# KiCad board pcb.kicad_pcb
title: 0xCB 1337; date: 2023-04-26; rev: 5.0; company: 0xCB; note: Conor Burns
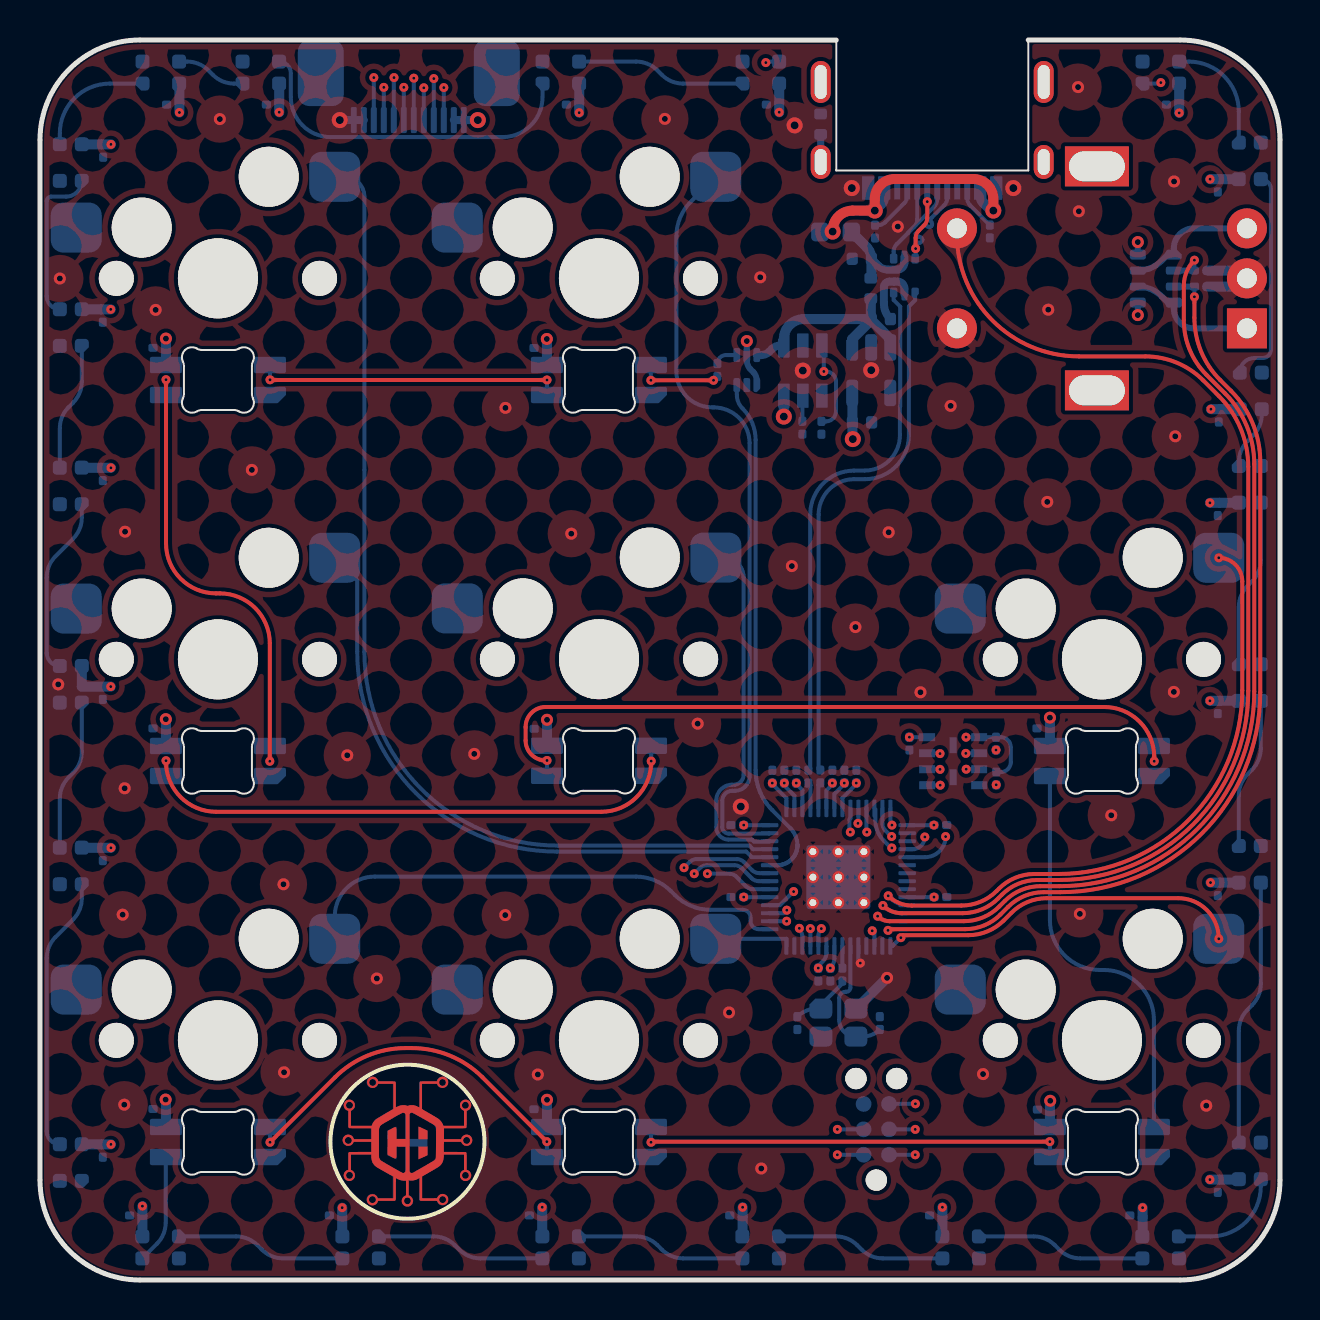
[diagram p0: board, top side]
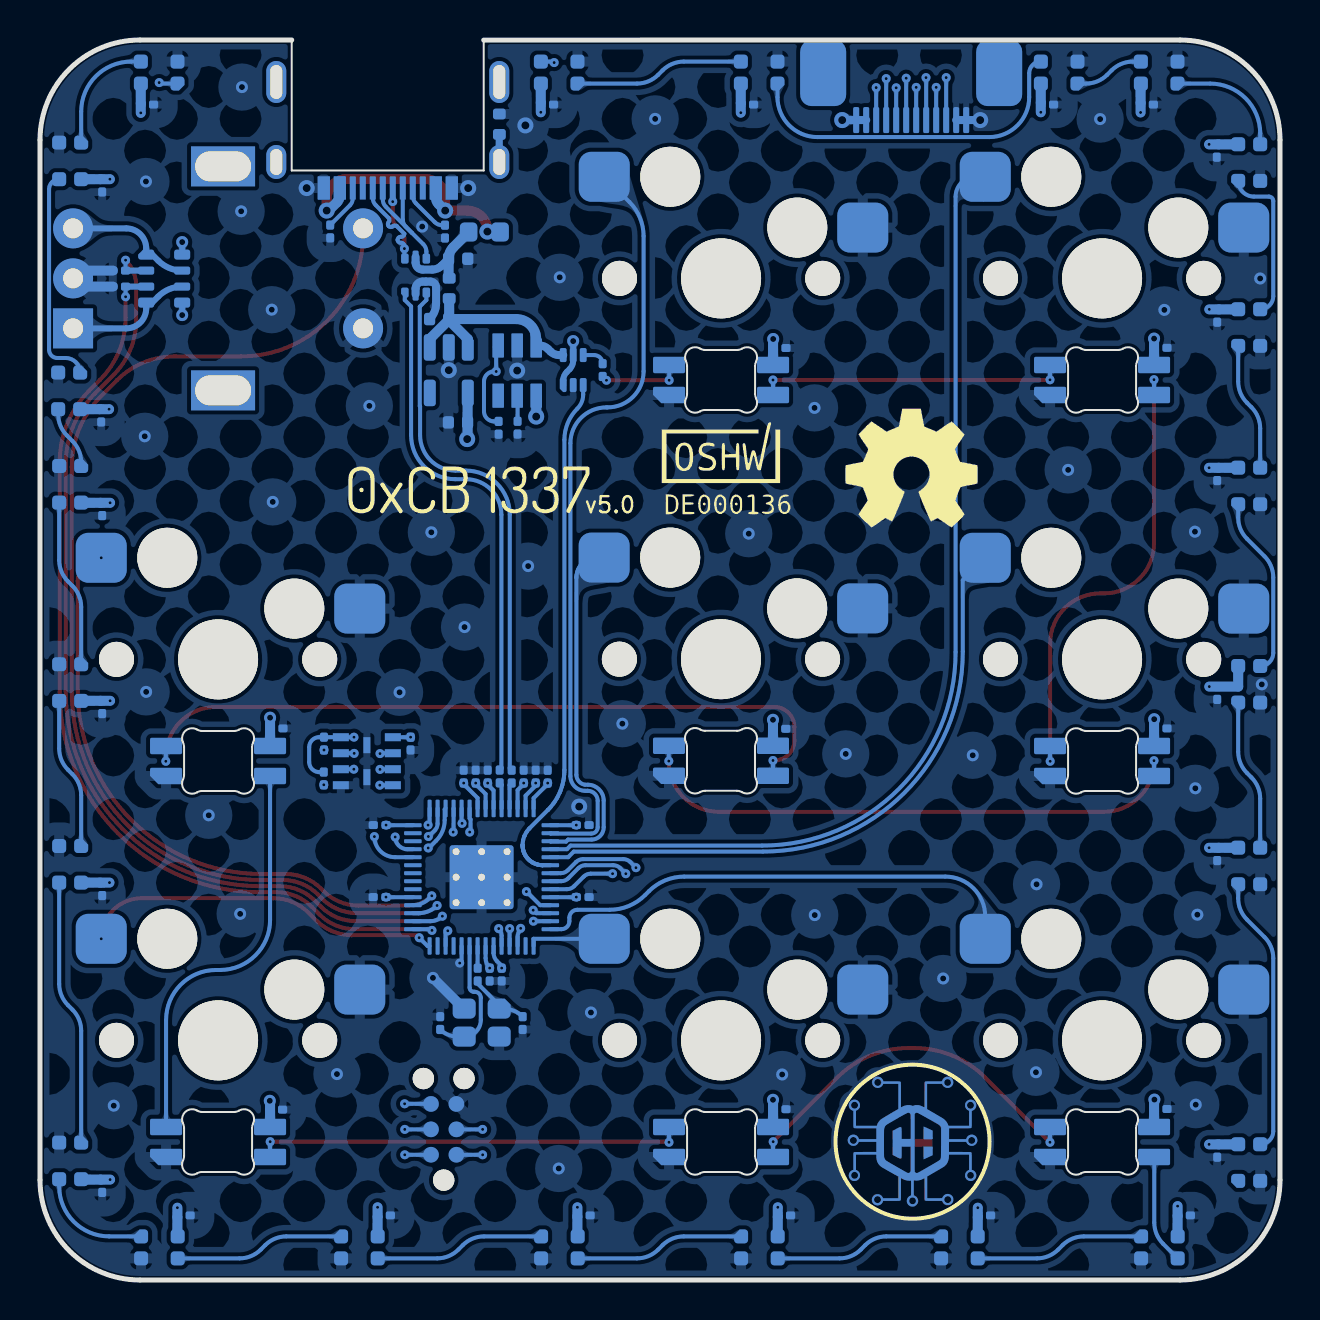
[diagram p1: board, bottom side, seen from below]

Outline 62 x 62 mm; copper layers: Top, In1.Cu, In2.Cu, Bottom. Coordinates in mm from the lower left corner of the outline.
Outline path: 0,57 0,5 arc(1.46,1.46) 5,0 57,0 arc(60.54,1.46) 62,5 62,57 arc(60.54,60.54) 57,62 49.41,62 49.41,55.48 39.81,55.48 39.81,62 5,62 arc(1.46,60.54) 0,57
Stack: Top 0.035mm / dielectric 0.2104mm 7628*1 er 4.5 / In1.Cu 0.0152mm / dielectric 1.065mm FR4 er 4.5 / In2.Cu 0.0152mm / dielectric 0.2104mm 7628*1 er 4.5 / Bottom 0.035mm

## Placement (name value [footprint] x y rotation side)
C1  100n  [C_0201_0603Metric]  56.64 58.77 180 bottom
C2  100n  [C_0201_0603Metric]  36.64 58.77 180 bottom
C3  100n  [C_0201_0603Metric]  26.64 58.77 180 bottom
C4  100n  [C_0201_0603Metric]  11.64 58.77 180 bottom
C5  100n  [C_0201_0603Metric]  6.65 58.77 180 bottom
C6  100n  [C_0201_0603Metric]  3.16 56.46 270 bottom
C7  100n  [C_0201_0603Metric]  58.04 50.47 0 bottom
C8  100n  [C_0201_0603Metric]  58.04 49.67 0 bottom
C9  100n  [C_0201_0603Metric]  58.89 54.72 270 bottom
C10  10u  [C_0402_1005Metric]  41.09 51.06 180 bottom
C11  10u  [C_0402_1005Metric]  42.04 48.05 0 bottom
C12  100n  [C_0201_0603Metric]  25.02 46.6 180 bottom
C13  100n  [C_0201_0603Metric]  5.97 46.61 180 bottom
C14  100n  [C_0201_0603Metric]  3.14 48.21 270 bottom
C15  100n  [C_0201_0603Metric]  58.94 43.22 270 bottom
C16  100n  [C_0201_0603Metric]  58.89 38.54 270 bottom
C17  10u  [C_0402_1005Metric]  41.1 42.88 0 bottom
C18  100n  [C_0201_0603Metric]  3.14 40.29 270 bottom
C19  100n  [C_0201_0603Metric]  58.89 28.64 270 bottom
C20  100n  [C_0201_0603Metric]  50.17 27.58 180 bottom
C21  100n  [C_0201_0603Metric]  40.22 25.17 90 bottom
C22  1u  [C_0201_0603Metric]  37.82 25.17 270 bottom
C23  100n  [C_0201_0603Metric]  39.62 25.17 90 bottom
C24  100n  [C_0201_0603Metric]  43.47 26.82 270 bottom
C25  100n  [C_0201_0603Metric]  40.82 25.17 90 bottom
C26  1u  [C_0201_0603Metric]  37.22 25.17 270 bottom
C27  100n  [C_0201_0603Metric]  36.62 25.17 90 bottom
C28  100n  [C_0201_0603Metric]  25.03 27.56 180 bottom
C29  100n  [C_0201_0603Metric]  5.97 27.58 180 bottom
C30  100n  [C_0201_0603Metric]  3.14 29.35 270 bottom
C31  100n  [C_0201_0603Metric]  58.89 19.54 270 bottom
C32  100n  [C_0201_0603Metric]  45.02 19.15 0 bottom
C33  100n  [C_0201_0603Metric]  45.02 22.75 0 bottom
C34  100n  [C_0201_0603Metric]  34.87 22.75 180 bottom
C35  100n  [C_0201_0603Metric]  34.87 19.15 180 bottom
C36  100n  [C_0201_0603Metric]  3.14 21.29 270 bottom
C37  15p  [C_0201_0603Metric]  41.99 12.85 270 bottom
C38  100n  [C_0201_0603Metric]  39.52 15.27 270 bottom
C39  100n  [C_0201_0603Metric]  38.92 15.27 270 bottom
C40  15p  [C_0201_0603Metric]  37.87 12.85 90 bottom
C41  100n  [C_0201_0603Metric]  50.19 8.52 180 bottom
C42  100n  [C_0201_0603Metric]  25.02 8.54 180 bottom
C43  100n  [C_0201_0603Metric]  5.97 8.55 180 bottom
C44  100n  [C_0201_0603Metric]  3.14 6.46 270 bottom
C45  100n  [C_0201_0603Metric]  58.89 4.7 270 bottom
C46  100n  [C_0201_0603Metric]  54.81 3.23 180 bottom
C47  100n  [C_0201_0603Metric]  44.8 3.23 180 bottom
C48  100n  [C_0201_0603Metric]  34.81 3.23 180 bottom
C49  100n  [C_0201_0603Metric]  24.79 3.23 180 bottom
C50  100n  [C_0201_0603Metric]  14.79 3.23 180 bottom
C51  100n  [C_0201_0603Metric]  4.8 3.23 180 bottom
D1  SK6812MINI-E  [MX_SK6812MINI-E]  8.9 50.08 180 bottom
D2  SK6812MINI-E  [MX_SK6812MINI-E]  27.95 50.08 180 bottom
D3  SK6812MINI-E  [MX_SK6812MINI-E]  8.9 31.03 180 bottom
D4  SK6812MINI-E  [MX_SK6812MINI-E]  27.95 31.04 180 bottom
D5  SK6812MINI-E  [MX_SK6812MINI-E]  53.1 31.03 180 bottom
D6  SK6812MINI-E  [MX_SK6812MINI-E]  8.9 11.98 180 bottom
D7  SK6812MINI-E  [MX_SK6812MINI-E]  27.95 11.98 180 bottom
D8  SK6812MINI-E  [MX_SK6812MINI-E]  53.1 11.98 180 bottom
D9  WS2812B  [LED_WS2812B-2020_PLCC4_2.0x2.0mm]  56.04 60.37 0 bottom
D10  WS2812B  [LED_WS2812B-2020_PLCC4_2.0x2.0mm]  36.04 60.37 0 bottom
D11  WS2812B  [LED_WS2812B-2020_PLCC4_2.0x2.0mm]  26.04 60.37 0 bottom
D12  WS2812B  [LED_WS2812B-2020_PLCC4_2.0x2.0mm]  11.04 60.37 0 bottom
D13  WS2812B  [LED_WS2812B-2020_PLCC4_2.0x2.0mm]  6.04 60.37 0 bottom
D14  WS2812B  [LED_WS2812B-2020_PLCC4_2.0x2.0mm]  60.49 55.96 270 bottom
D15  WS2812B  [LED_WS2812B-2020_PLCC4_2.0x2.0mm]  1.54 55.87 90 bottom
D16  WS2812B  [LED_WS2812B-2020_PLCC4_2.0x2.0mm]  60.54 44.46 270 bottom
D17  WS2812B  [LED_WS2812B-2020_PLCC4_2.0x2.0mm]  1.54 47.62 90 bottom
D18  WS2812B  [LED_WS2812B-2020_PLCC4_2.0x2.0mm]  60.49 39.79 270 bottom
D19  WS2812B  [LED_WS2812B-2020_PLCC4_2.0x2.0mm]  1.54 39.7 90 bottom
D20  WS2812B  [LED_WS2812B-2020_PLCC4_2.0x2.0mm]  60.49 29.87 270 bottom
D21  WS2812B  [LED_WS2812B-2020_PLCC4_2.0x2.0mm]  1.54 29.79 90 bottom
D22  WS2812B  [LED_WS2812B-2020_PLCC4_2.0x2.0mm]  60.49 20.79 270 bottom
D23  WS2812B  [LED_WS2812B-2020_PLCC4_2.0x2.0mm]  1.54 20.7 90 bottom
D24  WS2812B  [LED_WS2812B-2020_PLCC4_2.0x2.0mm]  60.49 5.96 270 bottom
D25  WS2812B  [LED_WS2812B-2020_PLCC4_2.0x2.0mm]  1.54 5.87 90 bottom
D26  WS2812B  [LED_WS2812B-2020_PLCC4_2.0x2.0mm]  56.03 1.63 180 bottom
D27  WS2812B  [LED_WS2812B-2020_PLCC4_2.0x2.0mm]  46.03 1.63 180 bottom
D28  WS2812B  [LED_WS2812B-2020_PLCC4_2.0x2.0mm]  36.03 1.63 180 bottom
D29  WS2812B  [LED_WS2812B-2020_PLCC4_2.0x2.0mm]  26.03 1.63 180 bottom
D30  WS2812B  [LED_WS2812B-2020_PLCC4_2.0x2.0mm]  16.03 1.63 180 bottom
D31  WS2812B  [LED_WS2812B-2020_PLCC4_2.0x2.0mm]  6.03 1.63 180 bottom
F1  1A  [Fuse_0603_1608Metric]  39.78 52.4 0 bottom
FB1  600R  [R_0402_1005Metric]  39.03 57.79 90 bottom
FB2  600R  [R_0402_1005Metric]  41.54 49.58 270 bottom
G***  -  [LOGO]  27.95 40.57 180 bottom
G***#2  LOGO  [logo]  18.37 6.92 180 bottom
J1  USB_C_Receptacle_USB2.0  [GT-USB-7014C]  44.59 57.25 0 bottom
J2  FPC  [FFC-SMD_12P-P0.50_X05B20U12T]  18.44 59.17 0 bottom
J3  J-LINK_6-PIN_NEEDLE_ADAPTER  [J-LINK_6-PIN_NEEDLE_ADAPTER_SMALL]  41.82 7.53 90 bottom
kibuzzard-1  G***  [kibuzzard-61BA68AC]  40.55 39.51 180 bottom
MX1  MX  [SW_Hotswap_Kailh_1.00u]  8.9 50.08 180 bottom
MX2  MX  [SW_Hotswap_Kailh_1.00u]  27.95 50.08 180 bottom
MX3  -  [EC11]  60.35 47.58 180 top
MX4  MX  [SW_Hotswap_Kailh_1.00u]  8.9 31.03 180 bottom
MX5  MX  [SW_Hotswap_Kailh_1.00u]  27.95 31.04 180 bottom
MX6  MX  [SW_Hotswap_Kailh_1.00u]  53.1 31.03 180 bottom
MX7  MX  [SW_Hotswap_Kailh_1.00u]  8.9 11.98 180 bottom
MX8  MX  [SW_Hotswap_Kailh_1.00u]  27.95 11.98 180 bottom
MX9  MX  [SW_Hotswap_Kailh_1.00u]  53.1 11.98 180 bottom
R1  5k1  [R_0201_0603Metric]  47.49 52.43 90 bottom
R2  5k1  [R_0201_0603Metric]  41.75 52.42 90 bottom
R3  27R  [R_0201_0603Metric]  33.87 45.5 270 bottom
R4  10k  [R_0201_0603Metric]  39.07 42.61 90 bottom
R5  75k  [R_0201_0603Metric]  38.12 42.62 270 bottom
R6  1k  [R_0201_0603Metric]  47.81 25.08 270 bottom
R7  10k  [R_0201_0603Metric]  47.8 26.82 90 bottom
R8  27R  [R_0201_0603Metric]  39.02 25.18 270 bottom
R9  27R  [R_0201_0603Metric]  38.42 25.17 270 bottom
R10  1k  [R_0201_0603Metric]  40.12 15.27 90 bottom
REF**  -  [OSHW-Symbol_6.7x6mm_SilkScreen]  18.43 40.59 180 bottom
RN1  10k  [R_Array_Convex_4x0603]  55.79 50.07 180 bottom
U1  USBLC6-2P6  [SOT-666]  43.22 50.22 90 bottom
U2  XC6210B332MR-G  [SOT-23-5]  41.56 45.49 270 bottom
U3  TPS2553DBVR  [SOT95P280X145-6N]  38.14 45.47 270 bottom
U4  74LVC1T45  [SOT-563]  35.34 45.5 90 bottom
U5  -  [W25Q32JVUUIQ]  45.66 25.95 270 bottom
U6  RP2040  [RP2040-QFN-56]  39.92 20.14 180 bottom
Y1  12MHz  [Crystal_SMD_2520-4Pin_2.5x2.0mm]  39.92 12.87 0 bottom

## Library data of the parts
C1-C9 C12-C16 C18-C21 C23 C25 C27-C36 C38 C39 C41-C51 = -: Description: Unpolarized capacitor; JLC Basic: Y; LCSC: C576431; MPN : CL05B104KO5NNNC; Manufacturer: Samsung Electro-Mechanics; Substitute: Y
C10 C11 C17 = -: Description: Unpolarized capacitor; JLC Basic: Y; LCSC: C15525; MPN : CL05A106MQ5NUNC; Manufacturer: Samsung Electro-Mechanics; Substitute: Y
C22 C26 = -: Description: Unpolarized capacitor; JLC Basic: Y; LCSC: C237458; MPN : CL05A105KA5NQNC; Manufacturer: Samsung Electro-Mechanics; Substitute: Y
C24 = -: Description: Unpolarized capacitor; LCSC: C576431; MPN : CL05B104KO5NNNC; Manufacturer: Samsung Electro-Mechanics
C37 C40 = -: Description: Unpolarized capacitor; JLC Basic: Y; LCSC: C85891; MPN : 0402CG150J500NT; Manufacturer: FH(Guangdong Fenghua Advanced Tech); Substitute: Y
D1-D8 = -: Description: SK6812MINI-E RGB LED; LCSC: C5149201; Field5: 1
D9-D31 = -: Description: RGB LED with integrated controller; LCSC: C2976072; MPN : WS2812B-2020; Manufacturer: Worldsemi
F1 = -: Description: Resettable fuse, polymeric positive temperature coefficient, small symbol; JLC Basic: N; LCSC: C210357; MPN : MF-FSMF050X-2; Manufacturer: BOURNS; Substitute: Y
FB1 FB2 = -: Description: Ferrite bead, small symbol; JLC Basic: N; LCSC: C88960; MPN : BLM15PX601SN1D; Manufacturer: Murata Electronics; Substitute: Y
J1 = -: Description: USB 2.0-only Type-C Receptacle connector; JLC Basic: N; LCSC: C963373; MPN : GT-USB-7014C; Manufacturer: G-Switch; Substitute: N
J2 = -: Description: Generic connector, single row, 01x12, script generated; LCSC: C388698
J3 = -: MPN : TC2030-ALT-NL; Manufacturer: Tag Connect
MX1 MX2 MX4-MX9 = -: LCSC: C5156480
MX3 = -: Description: Rotary encoder, dual channel, incremental quadrate outputs, with switch; Alt Part Nb.: C278348; Another Part Nb.: -; LCSC: C143817; Part Nb.: PEC11L-4125F-S0020-ND
R1 R2 = -: Description: Resistor; JLC Basic: Y; LCSC: C473460; MPN : 0402WGF5101TCE; Manufacturer: UNI-ROYAL(Uniroyal Elec); Substitute: Y
R3 R8 R9 = -: Description: Resistor; JLC Basic: N; LCSC: C273295; MPN : 0402WGF270JTCE; Manufacturer: UNI-ROYAL(Uniroyal Elec); Substitute: Y
R4 R7 = -: Description: Resistor; JLC Basic: Y; LCSC: C138117; MPN : 0402WGF1002TCE; Manufacturer: UNI-ROYAL(Uniroyal Elec); Substitute: Y
R5 = -: Description: Resistor; JLC Basic: Y; LCSC: C25744; MPN : 0402WGF1002TCE; Manufacturer: UNI-ROYAL(Uniroyal Elec); Substitute: Y
R6 = -: Description: Resistor; LCSC: C11702; MPN : 0402WGF1001TCE; Manufacturer: UNI-ROYAL(Uniroyal Elec)
R10 = -: Description: Resistor; JLC Basic: Y; LCSC: C11702; MPN : 0402WGF1001TCE; Manufacturer: UNI-ROYAL(Uniroyal Elec); Substitute: Y
RN1 = -: Description: 4 resistor network, parallel topology, split; Alt Part Nb.: C109324; LCSC: C914793; Part Nb.: MNR14103RTR-ND
U1 = -: Description: Very low capacitance ESD protection diode, 2 data-line, SOT-666; JLC Basic: N; JLCPCB_CORRECTION: 0; 0; 270; LCSC: C2827693; Manufacturer: TECH PUBLIC; Substitute: N
U2 = -: Description: 600mA low dropout linear regulator, with enable pin, 3.8V-6V input voltage range, 3.3V fixed positive output, SOT-23-5; JLCPCB_CORRECTION: 0; 0; 180; LCSC: C47719; Manufacturer: Torex Semiconductor
U3 = -: LCSC: C55266
U4 = -: Description: Single-Bit Dual-Supply Bus Transceiver With Configurable Voltage Translation and 3-State Outputs, SOT-563; JLC Basic: N; LCSC: C352970; MPN : SN74LVC1T45DRLR; Manufacturer: Texas Instruments; Substitute: N
U5 = -: Description: 4MB flash; JLCPCB_CORRECTION: 0; 0; 90; LCSC: C2999380; Manufacturer: Winbond
U6 = -: JLC Basic: N; JLCPCB_CORRECTION: 0; 0; 180; LCSC: C2040; Manufacturer: Raspberry Pi; Substitute: N
Y1 = -: Description: Four pin crystal, GND on pins 2 and 4, small symbol; JLC Basic: N; JLCPCB_CORRECTION: 0; 0; 270; LCSC: C2149204; MPN : 2TJ412000HYGBC; Manufacturer: JYJE; Substitute: N

## Footprints (pads in the part's own frame, mm; a bottom-side part is the same pattern mirrored in y, then rotated)
C_0201_0603Metric
  rrect 0.318x0.36 smd: (-0.345,0) (0.345,0)
  rrect 0.46x0.4 smd: 1(-0.32,0) 2(0.32,0)
C_0402_1005Metric
  rrect 0.56x0.62 smd: 1(-0.48,0) 2(0.48,0)
Crystal_SMD_2520-4Pin_2.5x2.0mm
  rrect 1.15x1 smd: 1(-0.875,-0.7) 2(0.875,-0.7) 3(0.875,0.7) 4(-0.875,0.7)
EC11
  rect 2x2 hole 1: A(0,0)
  round 2 hole 1: B(0,-5) C(0,-2.5) S1(14.5,-5) S2(14.5,0)
  rect 3.2x2 hole 2.8x1.5: MP(7.5,3.1) MP(7.5,-8.1)
FFC-SMD_12P-P0.50_X05B20U12T
  rrect 0.3x1.3 smd: 1(-2.75,1.175) 2(-2.25,1.175) 3(-1.75,1.175) 4(-1.25,1.175) 5(-0.75,1.175) 6(-0.25,1.175) 7(0.25,1.175) 8(0.75,1.175) 9(1.25,1.175) 10(1.75,1.175) 11(2.25,1.175) 12(2.75,1.175)
  rrect 2.3x3.3 smd: 13(4.4,-1.175) 14(-4.4,-1.175)
Fuse_0603_1608Metric
  rrect 0.875x0.95 smd: 1(-0.787,0) 2(0.787,0)
GT-USB-7014C
  rect 0.6x1.15 smd: A1(-3.175,2.65) A4(-2.375,2.65) A9(2.425,2.65) A12(3.225,2.65) B1(3.225,2.65) B4(2.425,2.65) B9(-2.375,2.65) B12(-3.175,2.65)
  rect 0.3x1.15 smd: A5(-1.225,2.65) A6(-0.225,2.65) A7(0.275,2.65) A8(1.275,2.65) B5(1.775,2.65) B6(0.775,2.65) B7(-0.725,2.65) B8(-1.725,2.65)
  oval 1x1.7 hole 0.6x1.3: S1(-5.55,1.35) S2(5.6,1.35)
  oval 1x2.1 hole 0.6x1.7: S3(5.6,-2.65) S4(-5.55,-2.65)
J-LINK_6-PIN_NEEDLE_ADAPTER_SMALL
  round 1.067 hole 1.067 unplated: (-2.54,0) (2.54,-1.016) (2.54,1.016)
  round 0.787 smd: 1(-1.27,-0.635) 2(-1.27,0.635) 3(0,-0.635) 4(0,0.635) 5(1.27,-0.635) 6(1.27,0.635)
LED_WS2812B-2020_PLCC4_2.0x2.0mm
  rrect 0.7x0.7 smd: 1(-0.915,0.55) 2(-0.915,-0.55) 3(0.915,-0.55) 4(0.915,0.55)
MX_SK6812MINI-E
  rrect 1.6x0.82 smd: 1(2.6,-4.33) 2(2.6,-5.83) 3(-2.6,-5.83) 4(-2.6,-4.33)
R_0201_0603Metric
  rrect 0.318x0.36 smd: (-0.345,0) (0.345,0)
  rrect 0.46x0.4 smd: 1(-0.32,0) 2(0.32,0)
R_0402_1005Metric
  rrect 0.54x0.64 smd: 1(-0.51,0) 2(0.51,0)
R_Array_Convex_4x0603
  rrect 0.8x0.5 smd: 1(-0.9,1.2) 4(-0.9,-1.2) 5(0.9,-1.2) 8(0.9,1.2)
  rrect 0.8x0.4 smd: 2(-0.9,0.4) 3(-0.9,-0.4) 6(0.9,-0.4) 7(0.9,0.4)
RP2040-QFN-56
  rrect 1.084x1.084 smd: (-0.637,-0.637) (-0.637,0.637) (0.637,-0.637) (0.637,0.637)
  rrect 0.875x0.2 smd: 1(-3.438,2.6) 2(-3.438,2.2) 3(-3.438,1.8) 4(-3.438,1.4) 5(-3.438,1) 6(-3.438,0.6) 7(-3.438,0.2) 8(-3.438,-0.2) 9(-3.438,-0.6) 10(-3.438,-1) 11(-3.438,-1.4) 12(-3.438,-1.8) 13(-3.438,-2.2) 14(-3.438,-2.6) 29(3.438,-2.6) 30(3.438,-2.2) 31(3.438,-1.8) 32(3.438,-1.4) 33(3.438,-1) 34(3.438,-0.6) 35(3.438,-0.2) 36(3.438,0.2) 37(3.438,0.6) 38(3.438,1) 39(3.438,1.4) 40(3.438,1.8) 41(3.438,2.2) 42(3.438,2.6)
  rrect 0.2x0.875 smd: 15(-2.6,-3.438) 16(-2.2,-3.438) 17(-1.8,-3.438) 18(-1.4,-3.438) 19(-1,-3.438) 20(-0.6,-3.438) 21(-0.2,-3.438) 22(0.2,-3.438) 23(0.6,-3.438) 24(1,-3.438) 25(1.4,-3.438) 26(1.8,-3.438) 27(2.2,-3.438) 28(2.6,-3.438) 43(2.6,3.438) 44(2.2,3.438) 45(1.8,3.438) 46(1.4,3.438) 47(1,3.438) 48(0.6,3.438) 49(0.2,3.438) 50(-0.2,3.438) 51(-0.6,3.438) 52(-1,3.438) 53(-1.4,3.438) 54(-1.8,3.438) 55(-2.2,3.438) 56(-2.6,3.438)
  round 0.6 hole 0.35: 57(-1.275,-1.275) 57(-1.275,0) 57(-1.275,1.275) 57(0,-1.275) 57(0,0) 57(0,1.275) 57(1.275,-1.275) 57(1.275,0) 57(1.275,1.275)
  rrect 3.2x3.2 smd: 57(0,0)
SOT95P280X145-6N
  rrect 1.21x0.58 smd: 1(-1.255,0.95) 2(-1.255,0) 3(-1.255,-0.95) 4(1.255,-0.95) 5(1.255,0) 6(1.255,0.95)
SOT-23-5
  rrect 1.325x0.6 smd: 1(-1.137,0.95) 2(-1.137,0) 3(-1.137,-0.95) 4(1.137,-0.95) 5(1.137,0.95)
SOT-563
  rrect 0.7x0.34 smd: 1(-0.75,0.5) 2(-0.75,0) 3(-0.75,-0.5) 4(0.75,-0.5) 5(0.75,0) 6(0.75,0.5)
SOT-666
  rrect 0.5x0.375 smd: 1(-0.85,0.537) 3(-0.85,-0.537) 4(0.85,-0.537) 6(0.85,0.537)
  rrect 0.65x0.3 smd: 2(-0.925,0) 5(0.925,0)
SW_Hotswap_Kailh_1.00u
  round 1.75 hole 1.75 unplated: (-5.08,0) (5.08,0)
  round 3 hole 3 unplated: (-2.54,5.08) (3.81,2.54)
  round 4 hole 4 unplated: (0,0)
  rrect 2.55x2.5 smd: 1(7.085,2.54) 2(-5.842,5.08)
W25Q32JVUUIQ
  rect 0.4x0.8 smd: 1(-1.188,-1.3) 2(-0.388,-1.3) 3(0.412,-1.3) 4(1.212,-1.3) 5(1.212,1.3) 6(0.412,1.3) 7(-0.388,1.3) 8(-1.188,1.3)
  rect 0.8x0.35 smd: 9(-0.79,0) 10(0.81,0)

## Nets
+1V1: C22.2 C25.1 C39.1 U6.23 U6.45 U6.50
+3V3: C17.1 C21.1 C23.1 C24.1 C26.2 C27.1 C32.1 C33.1 C34.1 C35.1 C38.1 J2.11 J2.12 J3.1 R7.1 RN1.5 RN1.8 U2.5 U4.1 U4.5 U5.8 U6.1 U6.10 U6.22 U6.33 U6.42 U6.43 U6.44 U6.48 U6.49
+5V: C11.1 FB2.2 U2.1 U2.3 U3.1 U4.6
GND: C1.2 C2.2 C3.2 C4.2 C5.2 C6.2 C7.2 C8.2 C9.2 C10.2 C11.2 C12.2 C13.2 C14.2 C15.2 C16.2 C17.2 C18.2 C19.2 C20.2 C21.2 C22.1 C23.2 C24.2 C25.2 C26.1 C27.2 C28.2 C29.2 C30.2 C31.2 C32.2 C33.2 C34.2 C35.2 C36.2 C37.1 C38.2 C39.2 C40.1 C41.2 C42.2 C43.2 C44.2 C45.2 C46.2 C47.2 C48.2 C49.2 C50.2 C51.2 D1.3 D2.3 D3.3 D4.3 D5.3 D6.3 D7.3 D8.3 D9.2 D10.2 D11.2 D12.2 D13.2 D14.2 D15.2 D16.2 D17.2 D18.2 D19.2 D20.2 D21.2 D22.2 D23.2 D24.2 D25.2 D26.2 D27.2 D28.2 D29.2 D30.2 D31.2 FB1.2 J1.A1 J1.A12 J1.B1 J1.B12 J2.1 J2.2 J3.5 MX1.1 MX2.1 MX3.C MX3.S2 MX4.1 MX5.1 MX6.1 MX7.1 MX8.1 MX9.1 R1.1 R2.1 R4.1 R5.2 U1.2 U2.2 U3.2 U4.2 U5.4 U5.9 U5.10 U6.19 U6.57 Y1.2 Y1.4
/BOOT: J3.6 R6.2
/D+: R8.2 U6.47
/D-: R9.2 U6.46
/EA: C7.1 RN1.2 U6.13
/EB: C8.1 RN1.3 U6.14
/LIM_EN: R4.2 U3.3 U6.17
/PORT+: J1.A6 J1.B6 U1.6
/PORT-: J1.A7 J1.B7 U1.4
/QSPI_CLK: U5.6 U6.52
/QSPI_CS: R6.1 R7.2 U5.1 U6.56
/QSPI_SD0: U5.5 U6.53
/QSPI_SD1: U5.2 U6.55
/QSPI_SD2: U5.3 U6.54
/QSPI_SD3: U5.7 U6.51
/RGB_5V: D2.4 R3.2
/RGB_DO: U4.3 U6.37
/RGB_PWR: C1.1 C2.1 C3.1 C4.1 C5.1 C6.1 C9.1 C12.1 C13.1 C14.1 C15.1 C16.1 C18.1 C19.1 C20.1 C28.1 C29.1 C30.1 C31.1 C36.1 C41.1 C42.1 C43.1 C44.1 C45.1 C46.1 C47.1 C48.1 C49.1 C50.1 C51.1 D1.1 D2.1 D3.1 D4.1 D5.1 D6.1 D7.1 D8.1 D9.4 D10.4 D11.4 D12.4 D13.4 D14.4 D15.4 D16.4 D17.4 D18.4 D19.4 D20.4 D21.4 D22.4 D23.4 D24.4 D25.4 D26.4 D27.4 D28.4 D29.4 D30.4 D31.4 U3.6
/RST: J3.3 U6.26
/S1: MX1.2 U6.39
/S2: MX2.2 U6.41
/S3: MX3.S1 U6.12
/S4: MX4.2 U6.38
/S5: MX5.2 U6.40
/S6: MX6.2 U6.11
/S7: MX7.2 U6.29
/S8: MX8.2 U6.28
/S9: MX9.2 U6.15
/SCL1: J2.4 U6.5
/SDA1: J2.3 U6.4
/SPI0_CS: J2.5 U6.32
/SPI0_DC: J2.6 U6.30
/SPI0_RST: J2.9 U6.36
/SPI0_SCK: J2.10 U6.34
/SPI0_SDI: J2.8 U6.31
/SPI0_SDO: J2.7 U6.35
/SWD_CLK: J3.4 U6.24
/SWD_IO: J3.2 U6.25
/USB+: R8.1 U1.1
/USB-: R9.1 U1.3
Net-(C40-Pad2): C40.2 R10.1 Y1.1
Net-(D1-DIN): D1.4 D2.2
Net-(D1-DOUT): D1.2 D3.4
Net-(D3-DOUT): D3.2 D4.4
Net-(D4-DOUT): D4.2 D5.4
Net-(D5-DOUT): D5.2 D8.4
Net-(D6-DIN): D6.4 D7.2
Net-(D7-DIN): D7.4 D8.2
Net-(D10-DIN): D9.1 D10.3
Net-(D10-DOUT): D10.1 D11.3
Net-(D11-DOUT): D11.1 D12.3
Net-(D12-DOUT): D12.1 D13.3
Net-(D13-DOUT): D13.1 D15.3
Net-(D14-DIN): D14.3 D16.1
Net-(D14-DOUT): D9.3 D14.1
Net-(D15-DOUT): D15.1 D17.3
Net-(D16-DIN): D16.3 D18.1
Net-(D17-DOUT): D17.1 D19.3
Net-(D18-DIN): D18.3 D20.1
Net-(D19-DOUT): D19.1 D21.3
Net-(D20-DIN): D20.3 D22.1
Net-(D21-DOUT): D21.1 D23.3
Net-(D22-DIN): D22.3 D24.1
Net-(D23-DOUT): D23.1 D25.3
Net-(D24-DIN): D24.3 D26.1
Net-(D26-DIN): D26.3 D27.1
Net-(D27-DIN): D27.3 D28.1
Net-(D28-DIN): D28.3 D29.1
Net-(D29-DIN): D29.3 D30.1
Net-(D30-DIN): D30.3 D31.1
Net-(D31-DIN): D6.2 D31.3
Net-(F1-Pad1): F1.1 J1.A4 J1.A9 J1.B4 J1.B9
Net-(J1-CC1): J1.A5 R2.2
Net-(J1-CC2): J1.B5 R1.2
Net-(J1-SHIELD): FB1.1 J1.S1
Net-(RN1A-R1.1): MX3.B RN1.1 RN1.7
Net-(RN1C-R3.2): MX3.A RN1.4 RN1.6
Net-(U1-VBUS): C10.1 F1.2 FB2.1 U1.5
Net-(U3-ILIM): R5.1 U3.5
Net-(U4-B): R3.1 U4.4
Net-(U6-XTAL_IN): C37.2 U6.20 Y1.3
Net-(U6-XTAL_OUT): R10.2 U6.21

Pads without a net: D25 1; J1 A8 B8 S2 S3 S4; J2 13 14; MX3 MP; U2 4; U3 4; U6 2 3 6 7 8 9 16 18 27

## Via types
v1: diameter 0.45, hole 0.15, Top to Bottom, 104 vias
v2: diameter 0.6, hole 0.3, Top to Bottom, 52 vias
v3: diameter 0.8, hole 0.4, Top to Bottom, 13 vias
